# Altium PCB Layout.PcbDoc (part 1 of 2)
Units mil, origin at the board's own origin, x right, y up, seen from the top; angles counter-clockwise.
Board outline 8465 x 3620 mil, 2 copper layers (Top Layer, Bottom Layer); 213 components, 109 nets, 585 pads, 1112 vias.
Unrouted connection lines stored in the file: 2.
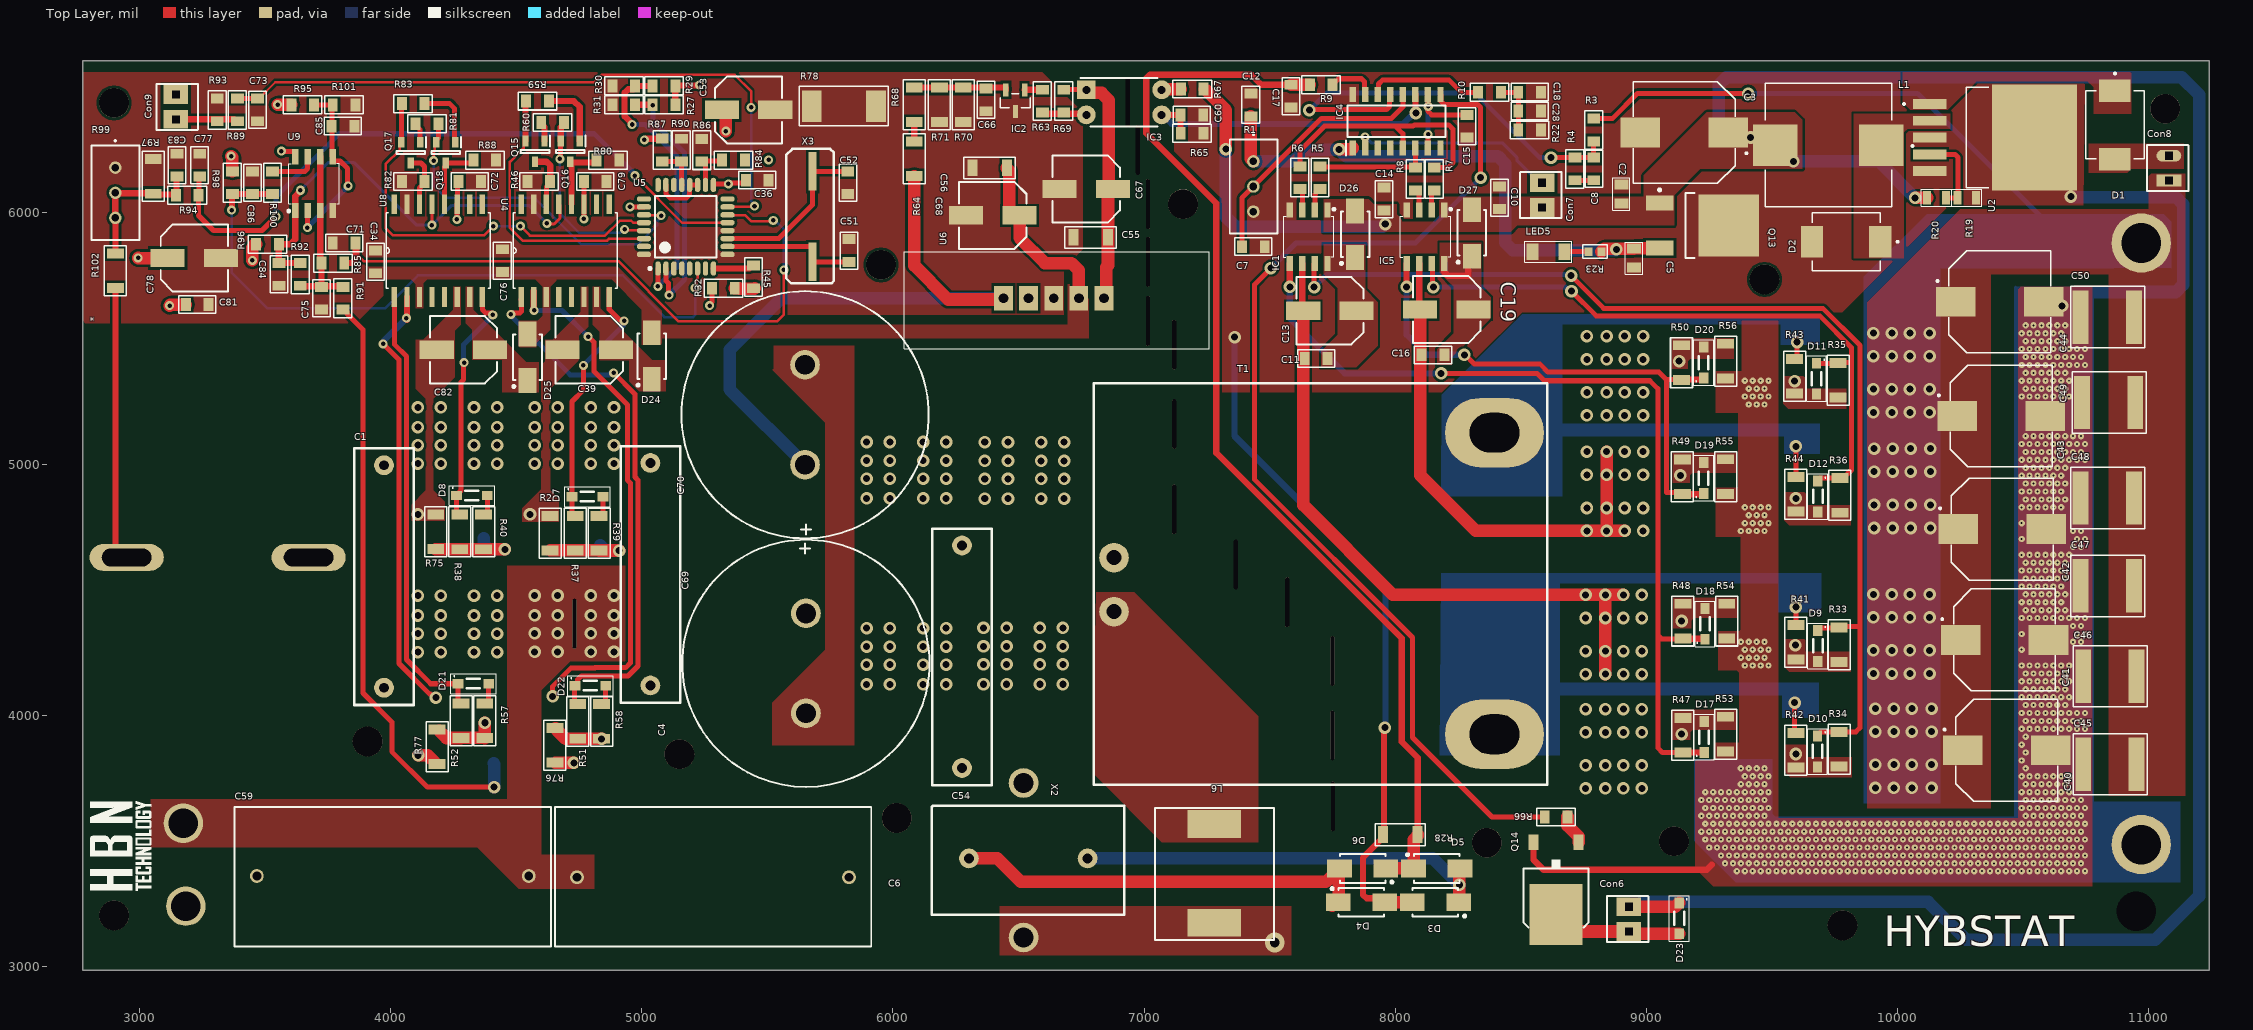
[diagram p0: Top Layer view]
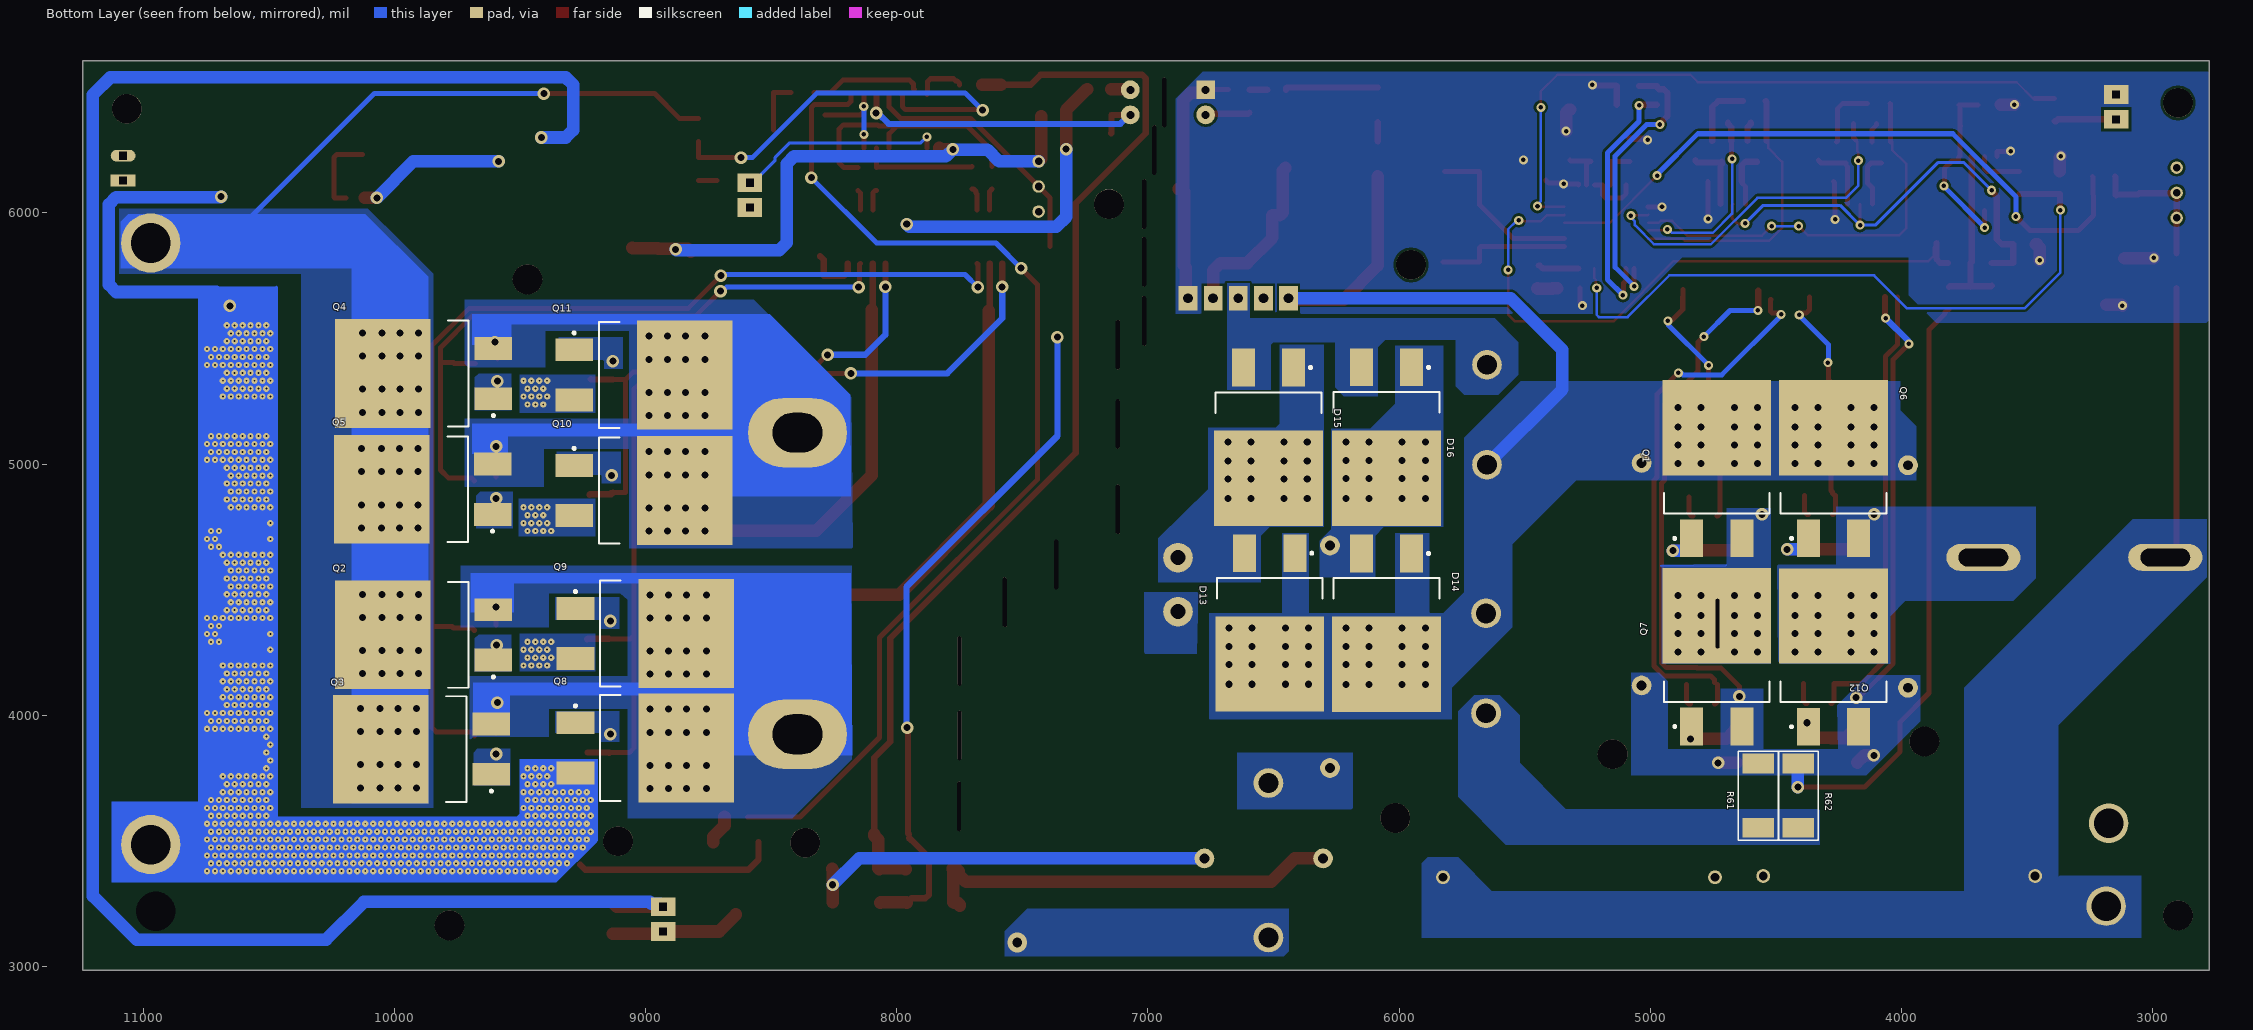
[diagram p1: Bottom Layer view, seen from below]
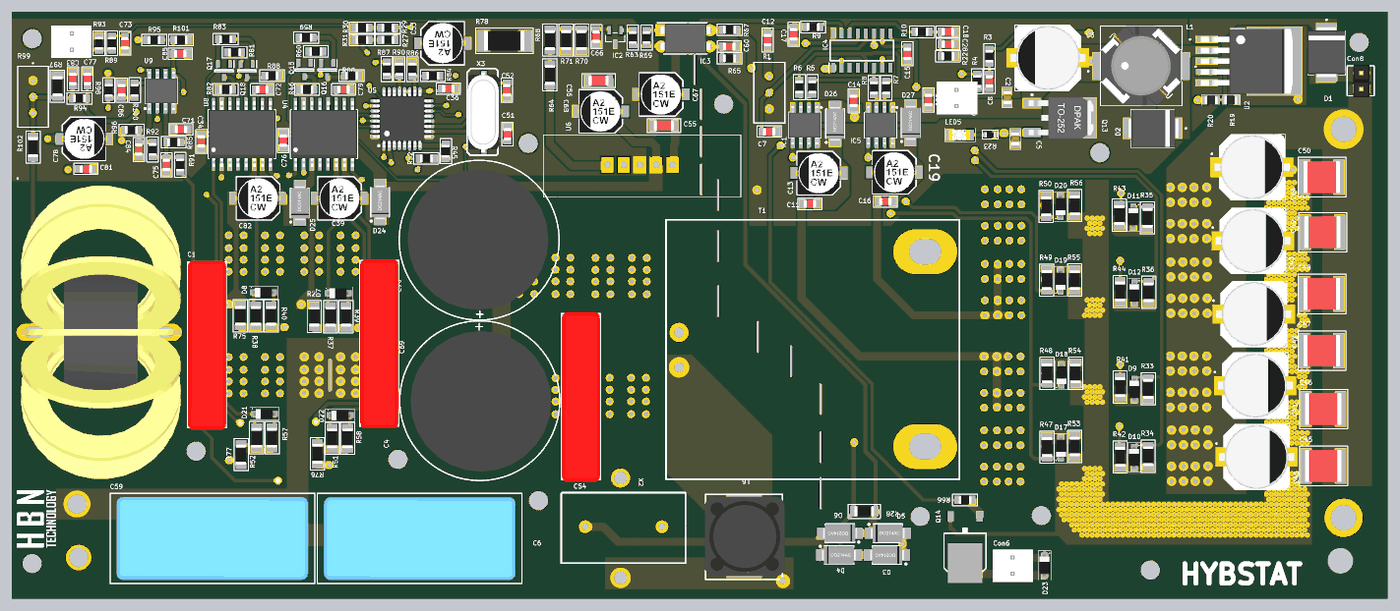
[diagram p3: 3D render of the assembled board from above, using the file's embedded part models]
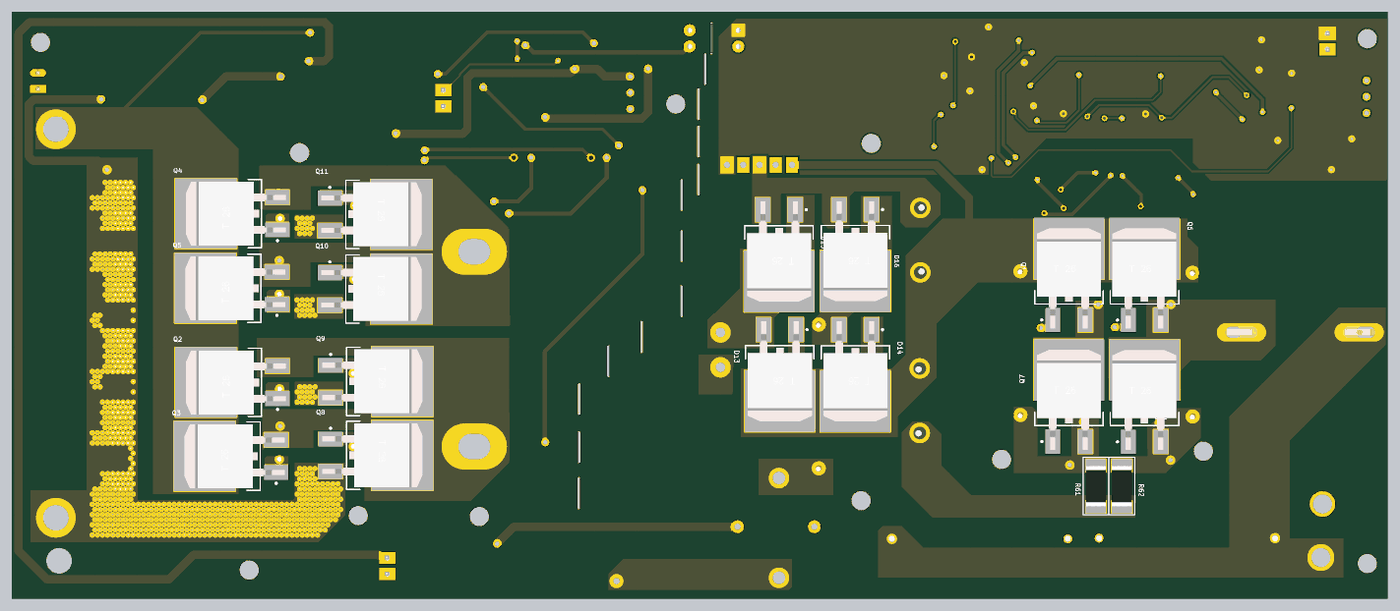
[diagram p4: 3D render of the assembled board from below, using the file's embedded part models]

## Layer stack, top to bottom
Top Solder: solder mask 0.4, Solder Resist, Dk 3.5
Top Layer: signal copper 1.4
Dielectric 1: dielectric 12.6, FR-4, Dk 4.8
Bottom Layer: signal copper 1.4
Bottom Solder: solder mask 0.4, Solder Resist, Dk 3.5

## Board outline
2775,2985 2775,6605 11240,6605 11240,2985

## Design rules (kind name [scope] priority, off if disabled: settings)
Clearance [All] p1: gap=10 ignorepadtopadclearanceinfootprint=FALSE except(0: Arc-Hole Track-Hole SMDPad-Hole THPad-Hole Via-Hole Fill-Hole Poly-Hole Region-Hole Text-Hole)
PolygonConnect [All] p1: connectstyle=Direct reliefconductorwidth=10 reliefentries=4 polygonreliefangle="90 Angle" airgapwidth=10
RoutingVias [All] p1: holewidth=28 width=50 viastyle="Through Hole" minholewidth=28 minwidth=50 maxholewidth=28 maxwidth=50
SolderMaskExpansion [All] p1: expansion=4 istentingtop=FALSE
Width [All] p1: maxlimit=99999 minlimit=10 preferedwidth=10 minimp=50.000000 maximp=50.000000 favimp=50.000000
30 further rules are at their usual default settings.

## Classes and differential pairs
component class EGT003: C7 C8 C10 C11 C12 C13 C14 C15 C16 C17 C18 C19 C28 D26 D27 IC1 IC4 IC5 R1 R3 R4 R5 R6 R7 R8 R9 R10 R22
component class EG8010: C34 C36 C39 C51 C52 C53 C71 C72 C73 C75 C76 C77 C78 C79 C81 C82 C83 C84 C85 C86 Con9 D24 D25 Q15 Q16 Q17 Q18 R27 R29 R30 R31 R32 R45 R46 R59 R60 R80 R81 R82 R83 R84 R85 R86 R87 R88 R89 R90 R91 R92 R93 R94 R95 R96 R97 R98 R99 R100 R101 R102 U4 U5 U8 U9 X3
component class Inverter: * C1 C4 C6 C40 C41 C42 C43 C44 C45 C46 C47 C48 C49 C50 C54 C55 C56 C59 C60 C66 C67 C68 C69 C70 Con6 Con7 D3 D4 D5 D6 D7 D8 D9 D10 D11 D12 D13 D14 D15 D16 D17 D18 D19 D20 D21 D22 D23 IC2 IC3 L6 Q1 Q2 Q3 Q4 Q5 Q6 Q7 Q8 Q9 Q10 Q11 Q12 Q14 R2 R28 R33 R34 R35 R36 R37 R38 R39 R40 R41 R42 R43 R44 R47 R48 R49 R50 R51 R52 R53 R54 R55 R56 R57 R58 R61 R62 R63 R64 R65 R66 R67 R68 R69 R70 R71 R75 R76 R77 R78 T1 U6 X2
component class "Power Distrubition": C2 C3 C5 Con8 D1 D2 L1 LED5 Q13 R19 R20 R23 U2

## Components (designator, comment, footprint, x,y, rotation, side; value= is the part's Value field where it differs from the comment)
* "Lgrid" Lgrid 3370,4605 r180 top
C1 "uF" "680nF bulk" 4092.04,4040.67 r90 top
C2 "22uF" C-0805 8900,6075 r90 top
C3 "330UF" CAP_EEETC1C331V#1 9150,6320 r180 top
C4 "uF" "680nF bulk" 5152.31,4049.79 r90 top
C5 "22uF" C-0805 8950,5820 r270 top
C6 "22uF 500V" "CAP.POL 22UF 500VDC - duplicate" 4742.32,3355 r0 top
C7 "C-0805" C-0805W 7435,5865 r180 top
C8 "C-0805" C-0805W 8790,6175 r90 top
C10 "C-0805" C-0805W 8415,6060 r90 top
C11 "C-0805" C-0805W 7685,5420 r0 top
C12 "C-0805" C-0805W 7425,6429.72 r270 top
C13 "10uF" CapSmdElc 7740,5610 r180 top
C14 "C-0805" C-0805W 7955,6055 r90 top
C15 "C-0805" C-0805W 8285,6345 r90 top
C16 "C-0805" C-0805W 8150,5435 r0 top
C17 "C-0805" C-0805W 7585,6465 r90 top
C18 "C-0805" C-0805W 8535,6480 r180 top
C19 "10uF" CapSmdElc 8205,5615 r180 top
C28 "C-0805" C-0805W 8535,6405 r180 top
C34 "C-0805" C-0805W 3940,5805 r270 top
C36 "C-0805" C-0805W 5460,6130 r180 top
C39 "10uF" CapSmdElc 4791.3,5455 r180 top
C40 "400V 1000uf" CAP_EEETC1C331V#1 10435,3860 r0 top
C41 "400V 1000uf" CAP_EEETC1C331V#1 10425.67,4299.78 r0 top
C42 "400V 1000uf" CAP_EEETC1C331V#1 10417.02,4741.1 r0 top
C43 "400V 1000uf" CAP_EEETC1C331V#1 10412.02,5191.1 r0 top
C44 "400V 1000uf" CAP_EEETC1C331V#2 10407.02,5646.1 r0 top
C45 "10uF" C-2220R 10845,3805 r180 top
C46 "10uF" C-2220R 10845,4155 r180 top
C47 "10uF" C-2220R 10835,4515 r180 top
C48 "10uF" C-2220R 10835,4865 r180 top
C49 "10uF" C-2220R 10840,5245 r180 top
C50 "10uF" C-2220R 10835,5585 r180 top
C51 "C-0805" C-0805W 5825,5850 r270 top
C52 "C-0805" C-0805W 5820,6120 r90 top
C53 "10uF" CapSmdElc 5425,6410 r0 top
C54 "uF" "680nF bulk" 6393.11,3721.1 r90 top
C55 "C-1206" C-1206W 6787.3,5902.85 r180 top
C56 "C-1206" C-1206W 6385,6180 r180 top
C59 "22uF 500V" "CAP.POL 22UF 500VDC - duplicate" 4550,3360 r180 top
C60 "C-0805" C-0805W 7190,6390 r0 top
C66 "C-0805" C-0805W 6370,6450 r90 top
C67 "uF" CapSmdElc 6770,6095 r180 top
C68 "uF" CapSmdElc 6397.8,5990 r180 top
C69 "220uF" Koshin 5653.64,4007.89 r90 top
C70 "220uF" Koshin 5650,5395 r270 top
C71 "C-0805" C-0805W 3815,5880 r0 top
C72 "C-0805" C-0805W 4315,6125 r180 top
C73 "C-0805" C-0805W 3470,6410 r90 top
C75 "C-0805" C-0805W 3725,5660 r90 top
C76 "C-0805" C-0805W 4445,5810 r270 top
C77 "C-0805" C-0805W 3240,6190 r270 top
C78 "10uF" CapSmdElc 3218.7,5820 r0 top
C79 "C-0805" C-0805W 4815,6125 r180 top
C81 "C-0805" C-0805W 3230.28,5635 r180 top
C82 "10uF" CapSmdElc 4290,5455 r180 top
C83 "C-0805" C-0805W 3150,6190 r270 top
C84 "C-0805" C-0805W 3555,5755 r90 top
C85 "C-0805" C-0805W 3810.28,6345 r180 top
C86 "C-0805" C-0805W 3450,6120 r270 top
Con6 "2pinConnector" 2pinCon 8930,3140 r180 top
Con7 "2pinConnector" 2pinCon 8585,6022.56 r180 top
Con8 "Connector2_1" Conn 11080,6130 r180 top
Con9 "2pinConnector" 2pinCon 3145,6470 r0 top
D1 "SK54" DIOM7959X265N 10865,6350 r270 top
D2 "SK54" DIOM7959X265N 9795,5885 r180 top
D3 "do214" DO-214AC 8160,3255 r180 top
D4 "do214" DO-214AC 7865,3255 r0 top
D5 "do214" DO-214AC 8165,3390 r0 top
D6 "do214" DO-214AC 7870,3390 r180 top
D7 "1n4148" SOD123 4724.43,4867.68 r0 top
D8 "1n4148" SOD123 4264.43,4872.68 r0 top
D9 "1n4148" SOD123 9680,4335 r270 top
D10 "1n4148" SOD123 9678.82,3915.13 r270 top
D11 "1n4148" SOD123 9674.99,5398.8 r270 top
D12 "1n4148" SOD123 9680,4930 r270 top
D13 "sch" "DPAK_TO263 - sch" 6515,4400.91 r270 bottom
D14 "sch" "DPAK_TO263 - sch" 6050,4400 r270 bottom
D15 "sch" "DPAK_TO263 - sch" 6520,5140 r270 bottom
D16 "sch" "DPAK_TO263 - sch" 6050,5140.91 r270 bottom
D17 "1n4148" SOD123 9231.97,3854.43 r90 top
D18 "1n4148" SOD123 9235,4305 r90 top
D19 "1n4148" SOD123 9230,4885 r90 top
D20 "1n4148" SOD123 9230,5345 r90 top
D21 "1n4148" SOD123 4270.1,4123.3 r0 top
D22 "1n4148" SOD123 4735.99,4115.48 r0 top
D23 "1n4148" SOD123 9128.03,3250.57 r270 top
D24 "do214" DO-214AC 5040,5430 r90 top
D25 "do214" DO-214AC 4545,5425 r90 top
D26 "do214" DO-214AC 7840,5915 r90 top
D27 "do214" DO-214AC 8305,5920 r90 top
IC1 "eg2132" SOIC127P600X175-8N 7655,5905 r270 top
IC2 "TL431ACDBZR" SOT95P237X112-3N 6487,6447 r270 top
IC3 "EL817(C)" DIP762W60P254L458H480Q4N 6920,6440 r0 top
IC4 "eg1611" SOIC127P600X175-16N 8005,6365 r90 top
IC5 "eg2132" SOIC127P600X175-8N 8120,5905 r270 top
L1 "220uH" IND_MDH12577C-101MA=P3 9724.37,6270 r180 top
L6 "inducter_SMPI06050" inductor 7280,3370 r180 top
LED5 "LTST-C150KGKT" LED1206 8610,5845 r0 top
Q1 "TO-263" DPAK_TO263 4735,4948.15 r90 bottom
Q2 "TO-263" DPAK_TO263 9850,4320 r0 bottom
Q3 "TO-263" DPAK_TO263 9858.03,3864.88 r0 bottom
Q4 "TO-263" DPAK_TO263 9850,5360 r0 bottom
Q5 "TO-263" DPAK_TO263 9853.03,4899.88 r0 bottom
Q6 "TO-263" DPAK_TO263 4270,4948.15 r90 bottom
Q7 "TO-263" DPAK_TO263 4735,4199.09 r90 bottom
Q8 "TO-263" DPAK_TO263 9035,3870 r180 bottom
Q9 "TO-263" DPAK_TO263 9035,4325 r180 bottom
Q10 "TO-263" DPAK_TO263 9040,4895 r180 bottom
Q11 "TO-263" DPAK_TO263 9040,5355 r180 bottom
Q12 "TO-263" DPAK_TO263 4270,4198.15 r90 bottom
Q13 "TO252_2" TO-252 9210,5950 r0 top
Q14 "TO252" D-PAK_TO252AA 8640,3305 r180 top
Q15 "FMMT723TA" SOT96P240X100-3N 4575,6245 r270 top
Q16 "FMMT723TA" SOT96P240X100-3N 4715,6245 r270 top
Q17 "FMMT723TA" SOT96P240X100-3N 4080,6240 r270 top
Q18 "FMMT723TA" SOT96P240X100-3N 4220,6240 r270 top
R1 "3386W-1-503LF" 3386W 7531.06,6105 r270 top
R2 "R-1206" R-1206W 4635,4725 r270 top
R3 "R-0805" R-0805W 8790,6330 r90 top
R4 "R-0805" R-0805W 8715,6175 r90 top
R5 "R-0805" R-0805W 7700,6140 r90 top
R6 "R-0805" R-0805W 7620,6140 r90 top
R7 "R-0805" R-0805W 8155,6134.72 r90 top
R8 "R-0805" R-0805W 8080,6134.72 r90 top
R9 "R-0805" R-0805W 7705,6510 r0 top
R10 "R-0805" R-0805W 8375,6480 r180 top
R19 "RES SMD 1K OHM 1% 1/8W 0805" R-0805 10275,6060 r180 top
R20 "11KΩ" R-0805 10155,6060 r180 top
R22 "R-0805" R-0805W 8535,6330 r180 top
R23 "510Ω" R-0603R 8795.04,5845.36 r0 top
R27 "R-0805" R-0805W 5088.49,6430.55 r0 top
R28 "R-1206" R-1206W 8020,3525 r180 top
R29 "R-0805" R-0805W 5088.49,6505.55 r0 top
R30 "R-0805" R-0805W 4928.49,6505.55 r0 top
R31 "R-0805" R-0805W 4928.49,6430.55 r0 top
R32 "R-0805" R-0805W 5325,5700 r0 top
R33 "R-1206" R-1206W 9766.62,4280.35 r270 top
R34 "R-1206" R-1206W 9766.46,3864.72 r270 top
R35 "R-1206" R-1206W 9762.99,5334.17 r270 top
R36 "R-1206" R-1206W 9770,4875 r270 top
R37 "R-1206" R-1206W 4735,4724.65 r270 top
R38 "R-1206" R-1206W 4275,4729.65 r270 top
R39 "R-1206" R-1206W 4830,4724.65 r270 top
R40 "R-1206" R-1206W 4370,4729.65 r270 top
R41 "R-1206" R-1206W 9595,4290 r90 top
R42 "R-1206" R-1206W 9595,3860 r90 top
R43 "R-1206" R-1206W 9590,5350 r90 top
R44 "R-1206" R-1206W 9595,4880 r90 top
R45 "R-0805" R-0805W 5445,5745 r90 top
R46 "R-0805" R-0805W 4590,6125 r180 top
R47 "R-1206" R-1206W 9145,3920 r90 top
R48 "R-1206" R-1206W 9145,4375 r90 top
R49 "R-1206" R-1206W 9142.91,4949.86 r90 top
R50 "R-1206" R-1206W 9140,5403.9 r90 top
R51 "R-1206" R-1206W 4745,3975 r270 top
R52 "R-1206" R-1206W 4280.1,3978.3 r270 top
R53 "R-1206" R-1206W 9315,3925 r270 top
R54 "R-1206" R-1206W 9320,4375 r270 top
R55 "R-1206" R-1206W 9315,4950 r270 top
R56 "R-1206" R-1206W 9315,5410 r270 top
R57 "R-1206" R-1206W 4375.1,3978.3 r270 top
R58 "R-1206" R-1206W 4840,3975 r270 top
R59 "R-0805" R-0805W 4585,6445 r180 top
R60 "R-0805" R-0805W 4645,6360 r180 top
R61 "10 1w" R-2512W 4570,3680 r90 bottom
R62 "10 1w" R-2512W 4410,3680 r90 bottom
R63 "R-0805" R-0805W 6595,6445 r270 top
R64 "R-1206" R-1206W 6085,6215 r270 top
R65 "R-0805" R-0805W 7190.94,6317.27 r0 top
R66 "R-0805" R-0805W 8640.28,3595 r0 top
R67 "R-0805" R-0805W 7191.58,6492.98 r180 top
R68 "R-1206" R-1206W 6085,6430 r270 top
R69 "R-0805" R-0805W 6680,6445 r270 top
R70 "R-1206" R-1206W 6280,6430 r90 top
R71 "R-1206" R-1206W 6185,6430 r90 top
R75 "R-1206" R-1206W 4180,4730 r90 top
R76 "R-1206" R-1206W 4655,3880 r90 top
R77 "R-1206" R-1206W 4185,3875 r270 top
R78 "10 1w" R-2512W 5805,6425 r180 top
R80 "R-0805" R-0805W 4865,6210 r0 top
R81 "R-0805" R-0805W 4145,6355 r0 top
R82 "R-0805" R-0805W 4090,6125 r180 top
R83 "R-0805" R-0805W 4090,6435 r180 top
R84 "R-0805" R-0805W 5365,6210 r180 top
R85 "R-0805" R-0805W 3770,5800 r0 top
R86 "R-0805" R-0805W 5238.89,6249.46 r270 top
R87 "R-0805" R-0805W 5081.45,6250.31 r270 top
R88 "R-0805" R-0805W 4375,6210 r0 top
R89 "R-0805" R-0805W 3390,6410 r90 top
R90 "R-0805" R-0805W 5157.73,6249.86 r270 top
R91 "R-0805" R-0805W 3810,5660 r90 top
R92 "R-0805" R-0805W 3640,5755 r90 top
R93 "R-0805" R-0805W 3310,6410 r90 top
R94 "R-0805" R-0805W 3190.28,6070 r0 top
R95 "R-0805" R-0805W 3650,6430 r180 top
R96 "R-0805" R-0805W 3510,5875 r180 top
R97 "R-1206" R-1206W 3055,6145 r90 top
R98 "R-0805" R-0805W 3370,6120 r270 top
R99 "3386W-1-503LF" 3386W 3000,6080 r270 top
R100 "R-0805" R-0805W 3530,6120 r90 top
R101 "R-0805" R-0805W 3815,6430 r180 top
R102 "R-1206" R-1206W 2905,5770 r90 top
T1 "eq4020" eq4020 6840,3727.36 r0 top
U2 "LM2576S-12/NOPB" VREG_TPS79625KTTR 10545,6300 r0 top
U4 "IR2113S" SOIC127P1032X265-16N 4695,5850 r90 top
U5 "EG8010" EG8010 5175,5945 r90 top
U6 "EG1185" EG1185 6590,5660 r270 top
U8 "IR2113S" SOIC127P1032X265-16N 4190,5850 r90 top
U9 "LM393D" SOIC127P600X175-8N 3695,6116.77 r90 top
X2 "ct" ct 6775,3430 r180 top
X3 "Crystal" crystal 5680,5804.63 r90 top
